# Altium PCB PCBv1.PcbDoc (part 1 of 2)
Units mm, origin at the board's own origin, x right, y up, seen from the top; angles counter-clockwise.
Board outline 94 x 133.2 mm, 2 copper layers (Top Layer, Bottom Layer), stack 1.615 mm thick; 122 components, 109 nets, 540 pads, 717 vias.
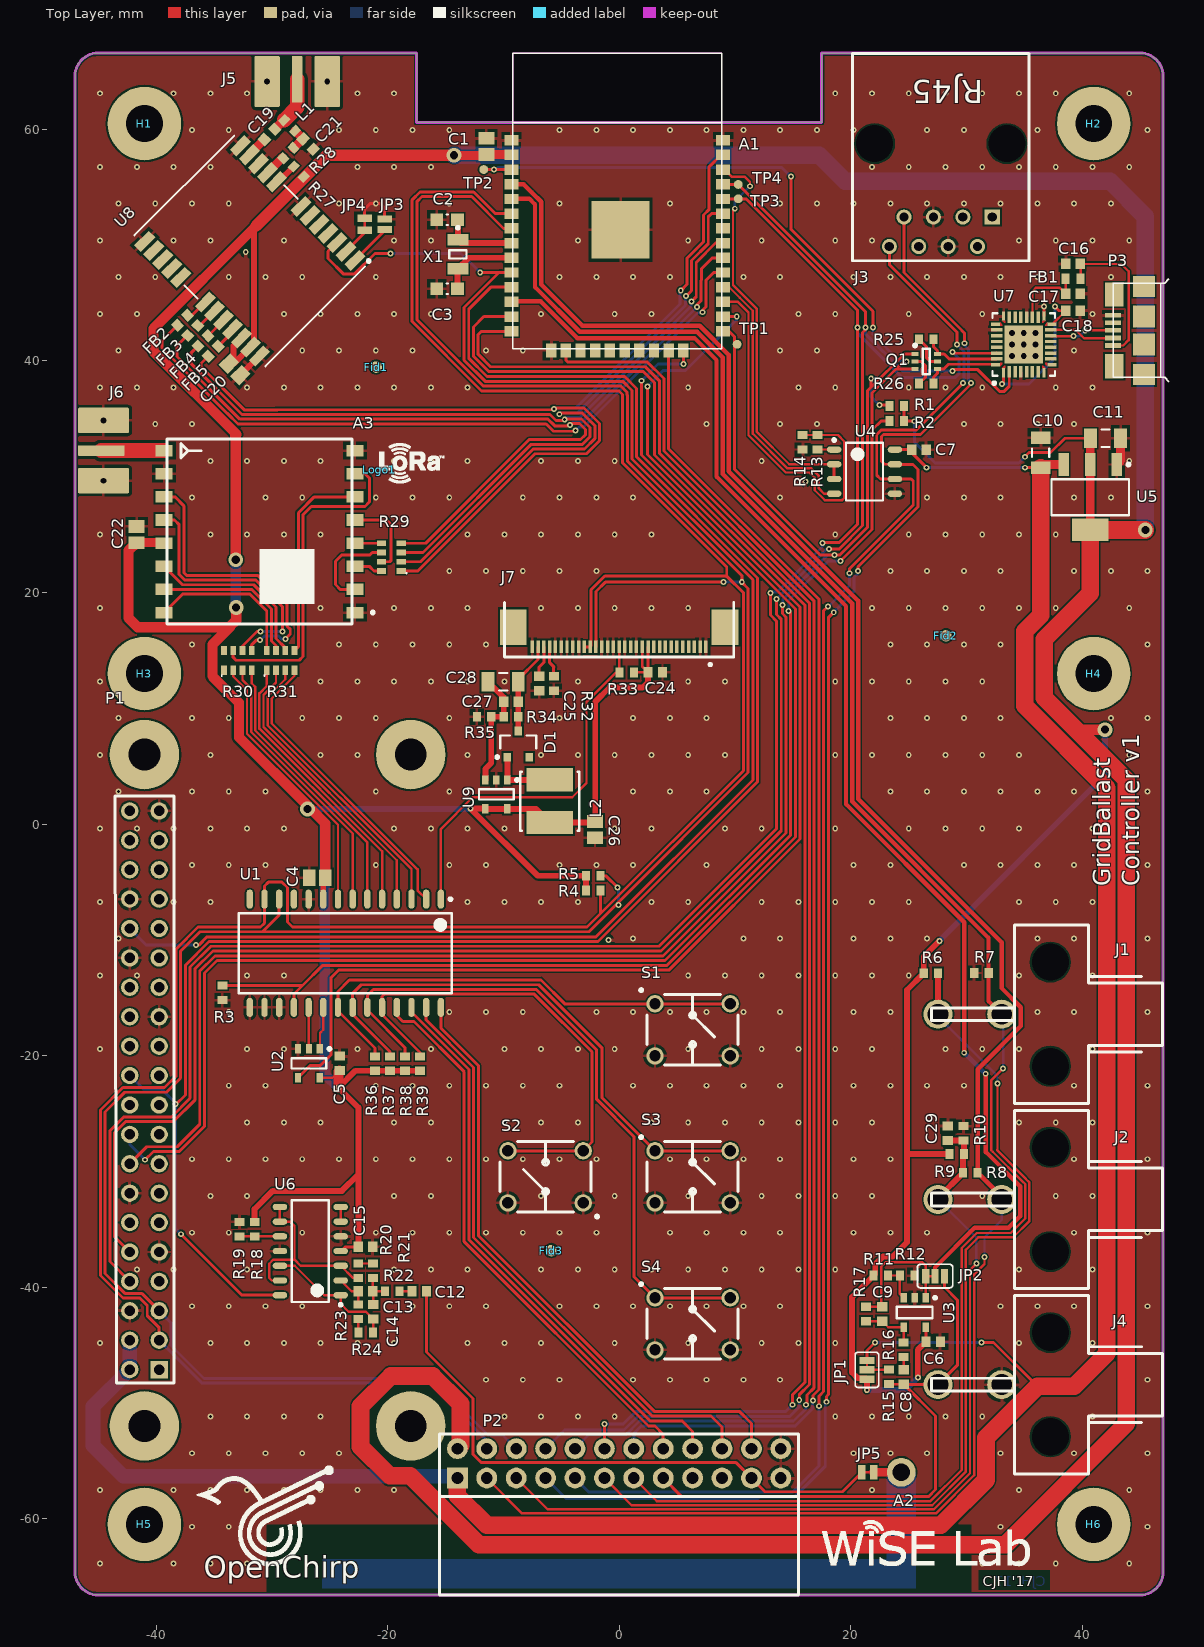
[diagram p0: Top Layer view]
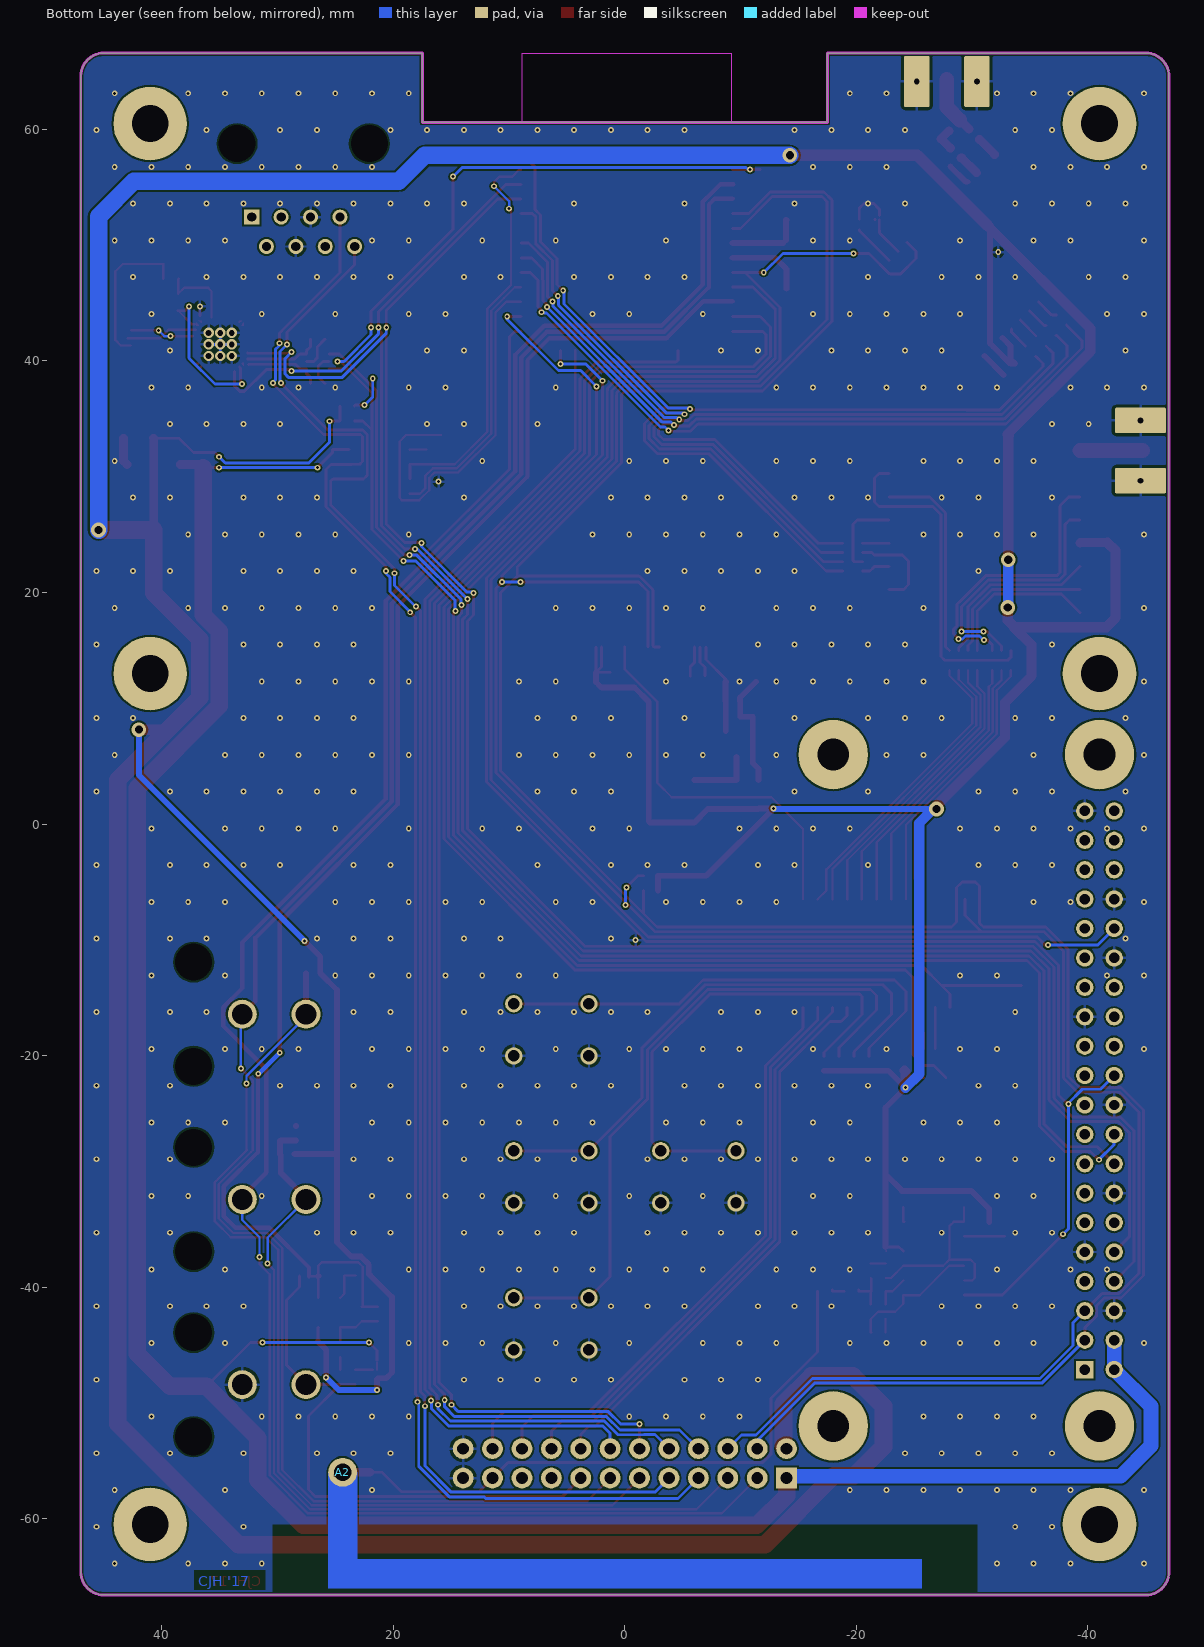
[diagram p1: Bottom Layer view, seen from below]

## Layer stack, top to bottom
Top Solder: solder mask 0.0102, Solder Resist, Dk 3.5
Top Layer: signal copper 0.0432
Dielectric 1: dielectric 1.5291, FR-4, Dk 4.6
Bottom Layer: signal copper 0.0432
Bottom Solder: solder mask 0.0102, Solder Resist, Dk 3.5

## Board outline
-17.5,66.6 -17.5,60.6 17.5,60.6 17.5,66.6 45,66.6 cw(c45,64.6) 47,64.6 47,-64.6 cw(c45,-64.6) 45,-66.6 -45,-66.6 cw(c-45,-64.6) -47,-64.6 -47,64.6 cw(c-45,64.6) -45,66.6

## Design rules (kind name [scope] priority, off if disabled: settings)
BoardOutlineClearance "BoardOutlineClearance - RJ45" [HasFootprint('RJ45 Unshielded PTH Connector')] p1: gap=0 ignorepadtopadclearanceinfootprint=FALSE
BoardOutlineClearance "BoardOutlineClearance - 4.2mm Pitch" [HasFootprint('2POS 4.2MM PITCH RIGHT ANGLE')] p2: gap=0 ignorepadtopadclearanceinfootprint=FALSE
BoardOutlineClearance "BoardOutlineClearance - Right Angle 0.1inch" [HasFootprint('0.1 INCH 2 ROW 24 POS FEMALE RIGHT-ANGLE HEADER SULLINS')] p3: gap=0 ignorepadtopadclearanceinfootprint=FALSE
BoardOutlineClearance "BoardOutlineClearance - MicroUSB" [HasFootprint('MicroUSB_TypeB')] p4: gap=0 ignorepadtopadclearanceinfootprint=FALSE
BoardOutlineClearance "BoardOutlineClearance - ESP32" [HasFootprint('ESP-WROOM-32')] p5: gap=0 ignorepadtopadclearanceinfootprint=FALSE
BoardOutlineClearance [All] p6: gap=0.254 ignorepadtopadclearanceinfootprint=FALSE
Clearance "Clearance - Keepout Ignore" [All vs IsKeepOut] p1: gap=0 ignorepadtopadclearanceinfootprint=FALSE
Clearance "Clearance - Antenna" [InNetClass('RF50')] p2: gap=0.305 ignorepadtopadclearanceinfootprint=FALSE
Clearance [All] p3: gap=0.152 ignorepadtopadclearanceinfootprint=FALSE
ComponentClearance "Ignore Enclosure Part" [InComponent('H1')] p1: gap=0 collisioncheckmode=3 verticalgap=0 showdistances=FALSE
DiffPairsRouting [All] p1: maxlimit=0.254 minlimit=0.152 mostfreqgap=0.254 toplayer_minwidth=0.152 toplayer_maxwidth=0.381 toplayer_prefwidth=0.254 bottomlayer_minwidth=0.152 bottomlayer_maxwidth=0.381 bottomlayer_prefwidth=0.254 maxuncoupledlength=12.7
HoleSize [All] p1: absolutevalues=TRUE maxlimit=12.7 minlimit=0.203 maxpercent=80.000 minpercent=20.000
MinimumSolderMaskSliver "MinimumSolderMaskSliver - Jumpers3" [HasFootprint('PAD-JUMPER-3-2OF3_NC_BY_TRACE_YES_SILK_FULL_BOX') vs HasFootprint('PAD-JUMPER-3-2OF3_NC_BY_TRACE_YES_SILK_FULL_BOX')] p1: minsoldermaskwidth=0
MinimumSolderMaskSliver "MinimumSolderMaskSliver - Jumpers2" [HasFootprint('PAD-JUMPER-2-NO_NO_SILK') vs HasFootprint('PAD-JUMPER-2-NO_NO_SILK')] p2: minsoldermaskwidth=0
MinimumSolderMaskSliver "MinimumSolderMaskSliver - Jumpers1" [HasFootprint('PAD-JUMPER-2-NC_BY_TRACE_NO_SILK') vs HasFootprint('PAD-JUMPER-2-NC_BY_TRACE_NO_SILK')] p3: minsoldermaskwidth=0
MinimumSolderMaskSliver "MinimumSolderMaskSliver - FTDI" [HasFootprint('PQFN5X5-32_V_FTDI_BIG_VIAS_LEADS') vs HasFootprint('PQFN5X5-32_V_FTDI_BIG_VIAS_LEADS')] p4: minsoldermaskwidth=0
MinimumSolderMaskSliver [All] p5: minsoldermaskwidth=0.102
PolygonConnect "PolygonConnect - ViaStitching" [IsStitchingVia] p1: connectstyle=Direct reliefconductorwidth=0.254 reliefentries=4 polygonreliefangle="90 Angle" airgapwidth=0.254
PolygonConnect [All] p2: connectstyle=Relief reliefconductorwidth=0.254 reliefentries=4 polygonreliefangle="90 Angle" airgapwidth=0.254
RoomDefinition RS485 [InComponentClass('Room Definition 8')] p1: confinementstyle=ConfineIn formatcopy=TRUE lockcomponents=FALSE outline 27.364,27.48 27.364,34.592 15.172,34.592 15.172,27.48
RoomDefinition MIC [InComponentClass('Room Definition 10')] p2: confinementstyle=ConfineIn formatcopy=TRUE lockcomponents=FALSE outline 29.17,-49.253 29.17,-37.696 20.026,-37.696 20.026,-49.253
RoomDefinition IOE [InComponentClass('Room Definition 20')] p3: confinementstyle=ConfineIn formatcopy=TRUE lockcomponents=FALSE outline -33.401,-22.733 -13.97,-22.733 -13.97,-2.159 -33.401,-2.159
RoomDefinition I2CPullup [InComponentClass('Room Definition 18')] p4: confinementstyle=ConfineIn formatcopy=TRUE lockcomponents=FALSE outline -3.654,-6.677 -0.733,-6.677 -0.733,-3.502 -3.654,-3.502
RoomDefinition 60HzDetection [InComponentClass('Room Definition 16')] p5: confinementstyle=ConfineIn formatcopy=TRUE lockcomponents=FALSE outline -33.782,-44.831 -15.875,-44.831 -15.875,-32.004 -33.782,-32.004
RoomDefinition Leak [InComponentClass('Room Definition 14')] p6: confinementstyle=ConfineIn formatcopy=TRUE lockcomponents=FALSE outline 25.527,-13.843 32.766,-13.843 32.766,-11.938 25.527,-11.938
RoomDefinition CT [InComponentClass('Room Definition 12')] p7: confinementstyle=ConfineIn formatcopy=TRUE lockcomponents=FALSE outline 32.583,-31.196 32.583,-22.814 27.376,-22.814 27.376,-31.196
RoomDefinition OLED [InComponentClass('Room Definition 6')] p8: confinementstyle=ConfineIn formatcopy=TRUE lockcomponents=FALSE outline -10.795,10.668 10.795,10.668 10.795,20.447 -10.795,20.447
RoomDefinition OLEDBoostConverter [InComponentClass('Room Definition 4')] p9: confinementstyle=ConfineIn formatcopy=TRUE lockcomponents=FALSE outline -13.081,-2.159 -0.889,-2.159 -0.889,13.589 -13.081,13.589
RoomDefinition VREG [InComponentClass('Room Definition 2')] p10: confinementstyle=ConfineIn formatcopy=TRUE lockcomponents=FALSE outline 35.052,24.003 44.577,24.003 44.577,34.671 35.052,34.671
RoomDefinition "UART and Boot" [InComponentClass('UART and Boot')] p11: confinementstyle=ConfineIn formatcopy=TRUE lockcomponents=FALSE outline 24.765,37.084 48.006,37.084 48.006,49.276 24.765,49.276
RoomDefinition LoRa [InComponentClass('LoRa')] p12: confinementstyle=ConfineIn formatcopy=TRUE lockcomponents=FALSE outline -56.642,11.43 -14.859,11.43 -14.859,36.322 -56.642,36.322
RoomDefinition GPS [InComponentClass('GPS')] p13: confinementstyle=ConfineIn formatcopy=TRUE lockcomponents=FALSE outline -43.287,37.573 -19.284,37.573 -19.284,76.435 -43.287,76.435
RoutingVias [All] p1: holewidth=0.254 width=0.508 viastyle="Through Hole" minholewidth=0.203 minwidth=0.406 maxholewidth=0.254 maxwidth=0.508
ShortCircuit "ShortCircuit - FTDI" [HasFootprint('PQFN5X5-32_V_FTDI_BIG_VIAS_LEADS') and IsPad vs HasFootprint('PQFN5X5-32_V_FTDI_BIG_VIAS_LEADS') and (IsPolygon or IsRegion)] p1: allowed=TRUE
ShortCircuit ExemptJumpers [HasFootprint('PAD-JUMPER-2-NC_BY_TRACE_NO_SILK') or HasFootprint('PAD-JUMPER-3-2OF3_NC_BY_TRACE_YES_SILK_FULL_BOX')] p2: allowed=TRUE
ShortCircuit [All] p3: allowed=FALSE
SilkToSilkClearance [All] p1: silktosilkclearance=0.127
SilkToSolderMaskClearance [IsPad] p1: minsilkscreentomaskgap=0 clearancetoexposedcopper=TRUE
SolderMaskExpansion [All] p1: expansion=0.051
Width "Width - Antenna" [InNetClass('RF50')] p1: maxlimit=254 minlimit=0.152 preferedwidth=0.254 impedancedriven=TRUE minimp=50.000000 maximp=50.000000 favimp=50.000000
Width [All] p2: maxlimit=254 minlimit=0.152 preferedwidth=0.254 minimp=50.000000 maximp=50.000000 favimp=50.000000
23 further rules are at their usual default settings.

## Classes and differential pairs
component class "UART and Boot": C16 C17 C18 FB1 P3 Q1 Q? R25 R26 U7
component class Power: C10 C11 C12 C13 C14 C15 R18 R19 R20 R21 R22 R23 R24 U5 U6 U?
component class Main: A1 A2 C1 C2 C3 C4 C5 JP5 P1 R1 R2 R3 R4 R5 TP1 TP2 TP3 TP4 U1 U2 X1
component class GPS: C19 C20 C21 FB2 FB3 FB4 FB5 FB? J5 JP3 JP4 JP? L1 R27 R28 U8
component class Accessories: C6 C7 C8 C9 C29 J1 J2 J3 J4 JP1 JP2 P2 R6 R7 R8 R9 R10 R11 R12 R13 R14 R15 R16 R17 U3 U4
component class LoRa: A3 C22 J6 R29 R30 R31
component class UI: C24 C25 C26 C27 C28 D1 J7 L2 R32 R33 R34 R35 R36 R37 R38 R39 S1 S2 S3 S4 U9
net class BTN[1..4]: BTN1 BTN2 BTN3 BTN4
net class DIO[0..5]: DIO0 DIO1 DIO2 DIO3 DIO4 DIO5
net class GPIO[1..8]: GPIO1 GPIO2 GPIO3 GPIO4 GPIO5 GPIO6 GPIO7 GPIO8
net class RF50: NetA3_9 NetC19_2
component class Mechanical: Fid1 Fid2 Fid3 H1 H2 H3 H4 H5 H6
component class "Room Definition 2": C10 C11 U5
component class "Room Definition 4": C26 C27 C28 D1 L2 R34 R35 U9
component class "Room Definition 6": C24 C25 J7 R32 R33
component class "Room Definition 8": C7 R13 R14
component class "Room Definition 10": C6 C8 C9 JP1 R11 R12 R15 R16 R17 U3
component class "Room Definition 12": C29 R8 R9 R10
component class "Room Definition 14": R6 R7
component class "Room Definition 16": C12 C13 C14 C15 R18 R19 R20 R21 R22 R23 R24 U6
component class "Room Definition 18": R4 R5
component class "Room Definition 20": C4 C5 U1 U2
component class "Room Definition 22": R36 R37 R38 R39 S1 S2 S3 S4
differential pair USB_D: +USB_D_P -USB_D_N

## Components (designator, comment, footprint, x,y, rotation, side; value= is the part's Value field where it differs from the comment)
A1 "ESP-WROOM-32" ESP-WROOM-32 -9.176,41.036 r0 top locked
A2 "60Hz Pickup" 60HzPickup 24.375,-56 r270 bottom locked
A3 "HopeRF RFM95" RFM95/9697/98W -31.064,25.26 r180 top locked
C1 "22uF" "CAPC2013X14L - CAP0805 1.45mm Tall" -11.466,58.528 r270 top
C2 "CAP 12pF 16V 0603(1608)" CAPC0603(1608)100_M -14.855,52.197 r0 top value=12pF
C3 "CAP 12pF 16V 0603(1608)" CAPC0603(1608)100_M -14.855,46.238 r0 top value=12pF
C4 "10uF" "CAPC2013X14L - CAP0805 1.45mm Tall" -26.073,-4.634 r0 top
C5 "10000pF" "CAPC1608X09L - CAP0603" -24.147,-20.675 r270 top
C6 "10000pF" "CAPC1608X09L - CAP0603" 27.134,-44.712 r180 top
C7 "4.7uF" "CAPC1608X09L - CAP0603" 25.899,32.344 r180 top
C8 "4.7uF" "CAPC1608X09L - CAP0603" 24.588,-47.771 r90 top
C9 "100pF" "CAPC1608X09L - CAP0603" 22.731,-42.33 r90 top
C10 "4.7uF" "CAPC3216X18L - CAP1206 1.8MM TALL" 36.419,32.077 r270 top
C11 "4.7uF" "CAPC3216X18L - CAP1206 1.8MM TALL" 42.018,33.323 r180 top
C12 "10uF" "CAPC1608X09L - CAP0603" -17.269,-40.36 r0 top
C13 "1uF" "CAPC1608X09L - CAP0603" -21.915,-40.36 r0 top
C14 "1uF" "CAPC1608X09L - CAP0603" -21.242,-42.133 r90 top
C15 "10000pF" "CAPC1608X09L - CAP0603" -21.902,-36.53 r180 top
C16 "100pF" "CAPC1608X09L - CAP0603" 39.209,48.379 r0 top
C17 "100pF" "CAPC1608X09L - CAP0603" 39.209,45.803 r180 top
C18 "100pF" "CAPC1608X09L - CAP0603" 39.209,44.338 r180 top
C19 "47pF" "CAPC1608X09L - CAP0603" -30.198,59.574 r45 top
C20 "10uF" "CAPC2013X14L - CAP0805 1.45mm Tall" -33.217,39.269 r135 top
C21 "10000pF" "CAPC1608X09L - CAP0603" -26.856,58.739 r135 top
C22 "10uF" "CAPC2013X14L - CAP0805 1.45mm Tall" -41.683,25.004 r270 top
C24 "1uF" "CAPC1608X09L - CAP0603" 3.122,13.101 r180 top
C25 "2.2uF" "CAPC1608X09L - CAP0603" -6.91,12.14 r90 top
C26 "10uF" "CAPC2013X14L - CAP0805 1.45mm Tall" -2.082,-0.482 r90 top
C27 "0.1uF" "CAPC1608X09L - CAP0603" -9.334,10.573 r0 top
C28 "10uF" "CAPC3216X18L - CAP1206 1.8MM TALL" -10.02,12.288 r0 top
C29 "10uF" "CAPC1608X09L - CAP0603" 28.404,-26.71 r270 top
D1 "BAT54 Schottky Diode" "SOT95P240X120-3L - ON Semi" -8.71,6.902 r90 top
FB1 "Feritte Bead 62Ohm" "INDC1608X10L - FL0603" 39.209,47.091 r180 top
FB2 "Feritte Bead 1kOhm" FB1608X09L -37.716,43.521 r45 top
FB3 "Feritte Bead 1kOhm" FB1608X09L -36.825,42.631 r45 top
FB4 "Feritte Bead 1kOhm" FB1608X09L -35.944,41.73 r45 top
FB5 "Feritte Bead 1kOhm" FB1608X09L -35.054,40.837 r45 top
Fid1 "Fiducial" "Fiducial 1mm" -20.984,39.471 r90 top
Fid2 "Fiducial" "Fiducial 1mm" 28.237,16.254 r90 top
Fid3 "Fiducial" "Fiducial 1mm" -5.856,-36.851 r90 top
H1 "1/8in Hole by 1/4in Ring Fastener" "1/8in Fastener Hole" -41,60.5 r0 top locked
H2 "1/8in Hole by 1/4in Ring Fastener" "1/8in Fastener Hole" 41,60.5 r0 top locked
H3 "1/8in Hole by 1/4in Ring Fastener" "1/8in Fastener Hole" -41,13 r0 top locked
H4 "1/8in Hole by 1/4in Ring Fastener" "1/8in Fastener Hole" 41,13 r0 top locked
H5 "1/8in Hole by 1/4in Ring Fastener" "1/8in Fastener Hole" -41,-60.5 r0 top locked
H6 "1/8in Hole by 1/4in Ring Fastener" "1/8in Fastener Hole" 41,-60.5 r0 top locked
J1 "4.2mm Pitch 2 Position Connector" "2POS 4.2MM PITCH RIGHT ANGLE" 33.047,-16.43 r90 top locked
J2 "4.2mm Pitch 2 Position Connector" "2POS 4.2MM PITCH RIGHT ANGLE" 33.047,-32.43 r90 top locked
J3 "RJ45 Connector" "RJ45 Unshielded PTH Connector" 27.788,58.776 r180 top locked
J4 "4.2mm Pitch 2 Position Connector" "2POS 4.2MM PITCH RIGHT ANGLE" 33.047,-48.43 r90 top locked
J5 "SMA Edge Connector" "SMA Connector - Edge Mount Short" -27.813,64.338 r180 top locked
J6 "SMA Edge Connector" "SMA Connector - Edge Mount Short" -44.739,32.258 r270 top locked
J7 "31Pos FlatFlex Connector" "31 POSITION FLAT FLEX ZIF CONNECTOR" 0,17 r180 top locked
JP1 "JUMPER-PAD-3-2OF3_NC_BY_TRACE_SMALL" PAD-JUMPER-3-2OF3_NC_BY_TRACE_YES_SILK_FULL_BOX#1 21.408,-47.153 r90 top
JP2 "JUMPER-PAD-3-2OF3_NC_BY_TRACE_SMALL" PAD-JUMPER-3-2OF3_NC_BY_TRACE_YES_SILK_FULL_BOX#2 27.292,-39.055 r180 top
JP3 "JUMPER-PAD-2-NO" PAD-JUMPER-2-NO_NO_SILK -20.247,51.806 r270 top
JP4 "JUMPER-PAD-2-NC_BY_TRACENO_SILK" PAD-JUMPER-2-NC_BY_TRACE_NO_SILK -21.982,51.806 r270 top
JP5 "JUMPER-PAD-2-NC_BY_TRACENO_SILK" PAD-JUMPER-2-NC_BY_TRACE_NO_SILK 21.48,-56 r180 top
L1 "27nH" "INDC1608X09L - IND0603 0.95MM TALL" -28.466,60.341 r135 top
L2 "10uH" INDP4949X20L -5.994,1.967 r90 top
Logo1 "LoRa Logo" "Logo LoRa Size1" -20.702,30.602 r0 top
P1 "Raspbery Pi Zero Mate" "RASPBERRY PI ZERO" -41,-23 r0 top locked
P2 "0.1\" Pitch, 2 Row, 24 Pos, Female, Right-Angle" "0.1 INCH 2 ROW 24 POS FEMALE RIGHT-ANGLE HEADER SULLINS" 0,-55.23 r0 top locked
P3 "USB?" MicroUSB_TypeB 45.339,38.837 r90 top locked
Q1 "Dual 3904 NPN" SOT65P210X110-6L 26.54,39.96 r0 top
R1 "10K" "RESC1608X06L - RES0603" 23.998,36.107 r0 top
R2 "10K" "RESC1608X06L - RES0603" 23.998,34.814 r0 top
R3 "10K" "RESC1608X06L - RES0603" -34.263,-14.581 r90 top
R4 "4.7K" "RESC1608X06L - RES0603" -2.227,-5.756 r180 top
R5 "4.7K" "RESC1608X06L - RES0603" -2.227,-4.469 r180 top
R6 "10" "RESC1608X06L - RES0603" 26.937,-12.888 r180 top
R7 "3M" "RESC1608X06L - RES0603" 31.307,-12.869 r0 top
R8 "33" "RESC1608X06L - RES0603" 30.347,-30.127 r0 top
R9 "1K" "RESC1608X06L - RES0603" 29.157,-28.511 r180 top
R10 "1K" "RESC1608X06L - RES0603" 29.761,-26.72 r270 top
R11 "10K" "RESC1608X06L - RES0603" 22.613,-38.998 r180 top
R12 "10K" "RESC1608X06L - RES0603" 24.884,-39.006 r180 top
R13 "2.43K" "RESC1608X06L - RES0603" 17.15,32.975 r270 top
R14 "4.32K" "RESC1608X06L - RES0603" 15.854,32.975 r90 top
R15 "2.2K" "RESC1608X06L - RES0603" 23.303,-47.763 r90 top
R16 "1.5k" "RESC1608X06L - RES0603" 24.575,-45.431 r90 top
R17 "100K" "RESC1608X06L - RES0603" 21.334,-42.33 r90 top
R18 "100K" "RESC1608X06L - RES0603" -31.48,-34.992 r90 top
R19 "100K" "RESC1608X06L - RES0603" -32.804,-34.992 r270 top
R20 "43" "RESC1608X06L - RES0603" -22.533,-38.588 r90 top
R21 "91" "RESC1608X06L - RES0603" -21.247,-38.587 r90 top
R22 "13.3K" "RESC1608X06L - RES0603" -19.585,-40.36 r180 top
R23 "28K" "RESC1608X06L - RES0603" -22.529,-42.133 r90 top
R24 "28K" "RESC1608X06L - RES0603" -21.893,-43.916 r180 top
R25 "12K" "RESC1608X06L - RES0603" 26.54,41.872 r0 top
R26 "12K" "RESC1608X06L - RES0603" 26.54,38.05 r0 top
R27 "1K" "RESC1608X06L - RES0603" -27.674,56.355 r315 top
R28 "10" "RESC1608X06L - RES0603" -28.569,57.959 r45 top
R29 "100" CAC-80P319X159-8L -19.673,23.054 r180 top
R30 "100" CAC-80P319X159-8L -32.937,14.133 r90 top
R31 "100" CAC-80P319X159-8L -29.24,14.133 r90 top
R32 "910K" "RESC1608X06L - RES0603" -5.631,12.138 r270 top
R33 "4.7K" "RESC1608X06L - RES0603" 0.646,13.101 r0 top
R34 "205K" "RESC1608X06L - RES0603" -9.341,9.266 r0 top
R35 "23.2K" "RESC1608X06L - RES0603" -11.667,9.265 r0 top
R36 "10K" "RESC1608X06L - RES0603" -21.092,-20.692 r270 top
R37 "10K" "RESC1608X06L - RES0603" -19.793,-20.692 r270 top
R38 "10K" "RESC1608X06L - RES0603" -18.494,-20.692 r270 top
R39 "10K" "RESC1608X06L - RES0603" -17.194,-20.692 r270 top
S1 "17mm Tactile Switch" TactileSwitchTE17mm 6.35,-17.78 r0 top locked
S2 "17mm Tactile Switch" TactileSwitchTE17mm -6.35,-30.48 r180 top locked
S3 "17mm Tactile Switch" TactileSwitchTE17mm 6.35,-30.48 r0 top locked
S4 "17mm Tactile Switch" TactileSwitchTE17mm 6.35,-43.18 r0 top locked
TP1 "Test Point" TestPoint1 10.192,41.437 r90 top
TP2 "Test Point" TestPoint1 -11.696,56.535 r90 top
TP3 "Test Point" TestPoint1 10.294,54.003 r90 top
TP4 "Test Point" TestPoint1 10.294,55.245 r90 top
U1 "I2C 16CH IO Expander" SOIC127P1030X265-28L -23.649,-11.166 r270 top locked
U2 "Single OR Gate" SOT95P280X140-5L -26.793,-20.675 r270 top
U3 "88MHz Single OP-Amp" SOT95P280X145-5L 25.525,-42.203 r270 top
U4 "TI SN65176B" SOIC127P600X175-8L 21.2,30.439 r0 top
U5 "AP2114H-3.3TRG1" SOT230P700X180-4L 40.696,28.227 r270 top
U6 "1MHz Quad OP-Amp" SOIC127P600X175-14L -26.674,-36.891 r180 top
U7 "FT232RQ-Reel" PQFN5X5-32_V_FTDI_BIG_VIAS_LEADS 34.954,41.43 r90 top locked
U8 "NEO-M8T" NEO -31.896,49.51 r45 top locked value=NEO-M8
U9 "FAN5331 Boost Converter" "SOT95P280X145-5L - ON Semi" -10.597,2.559 r270 top
X1 "14340272-32.768KHz" ITTI-14340272-32.768KHz-2_V -13.929,49.201 r270 top
